# Allegro board AX7021-2019-04-01.brd (continued)
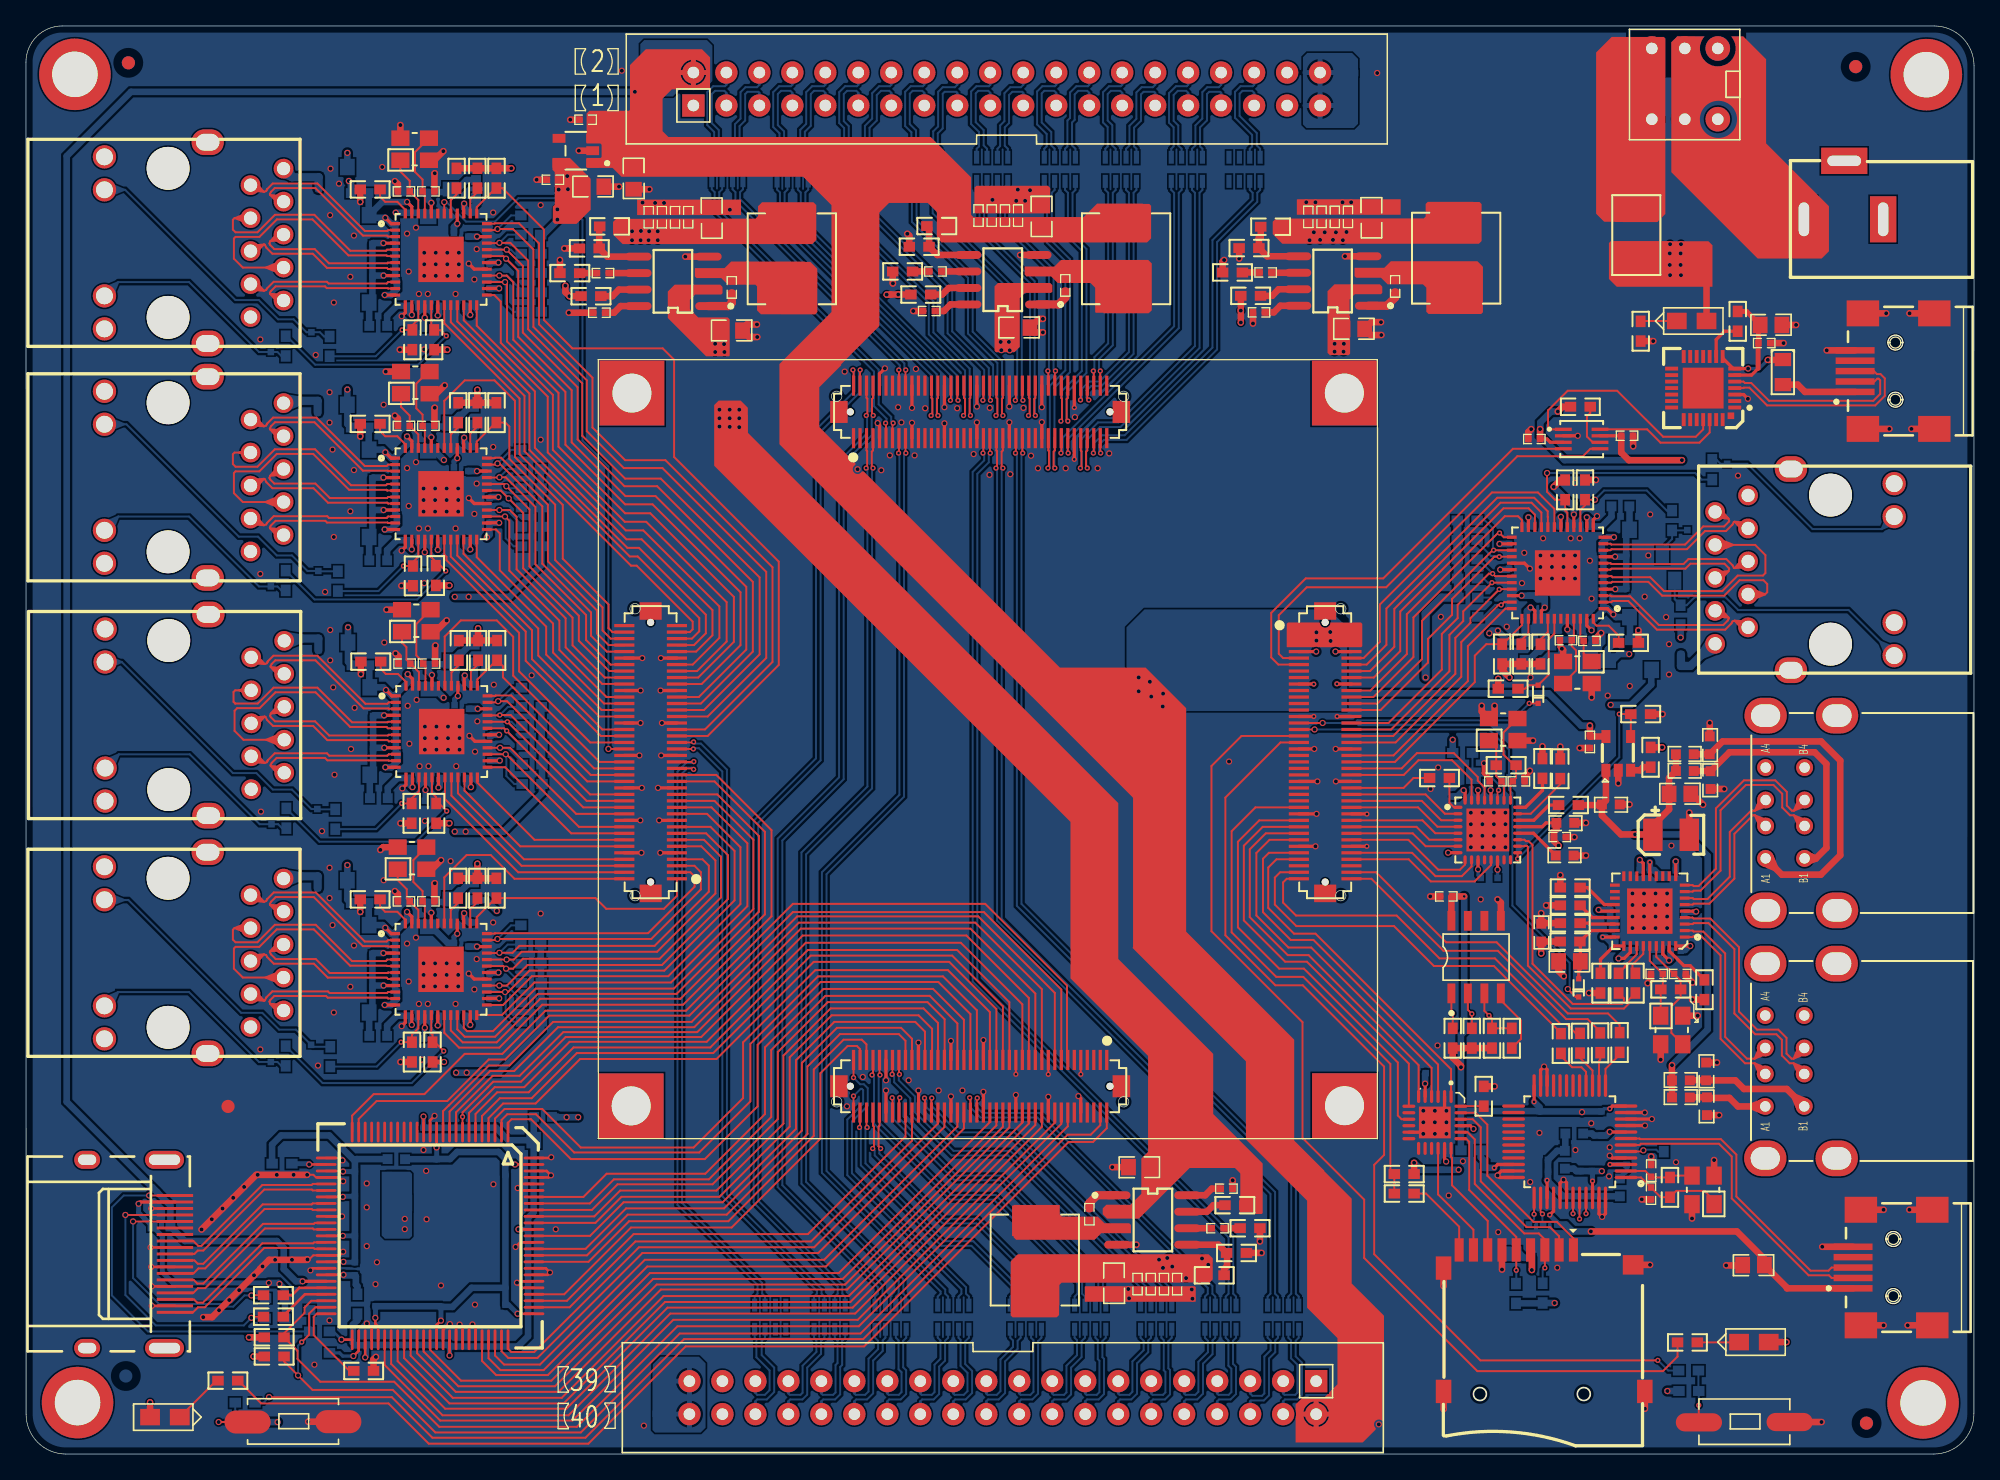
[diagram p0: board, top side]
## Nets (continued)
PHY1_TXD2: CON1.16 U6.21(TXD2)
PHY1_TXD3: CON1.18 U6.22(TXD3)
PHY2_125M_CLK: R62.1 U10.41(CLK125_NDO/LED_MODE)
PHY2_AD0/LED1: R55.1 R60.1 U10.17(LED1 / PME_N1/PHYAD0)
PHY2_AD1/LED2: R56.1 R68.2 U10.15(LED2/PHYAD1)
PHY2_AVDDH: C87.1 C88.1 C89.1 L10.2 U10.1(AVDDH1) U10.12(AVDDH2) U10.47(NC2)
PHY2_AVDDL: C99.1 C100.1 C101.1 L12.2 U10.4(AVDDL2) U10.9(AVDDL1)
PHY2_AVDDL_PLL: C96.1 C97.1 C98.1 L11.2 U10.44(AVDDL_PLL)
PHY2_MDC: CON3.3 U10.36(MDC)
PHY2_MDI0_N: J10.P3(TRD0-) U10.3(TXRXM_A)
PHY2_MDI0_P: J10.P2(TRD0+) U10.2(TXRXP_A)
PHY2_MDI1_N: J10.P7(TRD1-) U10.6(TXRXM_B)
PHY2_MDI1_P: J10.P4(TRD1+) U10.5(TXRXP_B)
PHY2_MDI2_N: J10.P6(TRD2-) U10.8(TXRXM_C)
PHY2_MDI2_P: J10.P5(TRD2+) U10.7(TXRXP_C)
PHY2_MDI3_N: J10.P9(TRD3-) U10.11(TXRXM_D)
PHY2_MDI3_P: J10.P8(TRD3+) U10.10(TXRXP_D)
PHY2_MDIO: CON3.1 R58.1 U10.37(MDIO)
PHY2_RESET: CON3.2 U10.42(RESET_N)
PHY2_RXCK: CON3.5 R67.2 U10.35(RX_CLK/PHYAD2)
PHY2_RXCTL: CON3.7 R61.1 U10.33(RX_DV/CLK125_EN)
PHY2_RXD0: CON3.11 R66.1 U10.32(RXD0/MODE0)
PHY2_RXD1: CON3.13 R65.1 U10.31(RXD1/MODE1)
PHY2_RXD2: CON3.15 R64.1 U10.28(RXD2/MODE2)
PHY2_RXD3: CON3.17 R63.1 U10.27(RXD3/MODE3)
PHY2_TXCK: CON3.23 U10.24(GTX_CLK)
PHY2_TXCTL: CON3.21 U10.25(TX_EN)
PHY2_TXD0: CON3.33 U10.19(TXD0)
PHY2_TXD1: CON3.31 U10.20(TXD1)
PHY2_TXD2: CON3.27 U10.21(TXD2)
PHY2_TXD3: CON3.25 U10.22(TXD3)
PHY3_125M_CLK: R76.1 U11.41(CLK125_NDO/LED_MODE)
PHY3_AD0/LED1: R69.1 R74.1 U11.17(LED1 / PME_N1/PHYAD0)
PHY3_AD1/LED2: R70.1 R82.2 U11.15(LED2/PHYAD1)
PHY3_AVDDH: C113.1 C114.1 C115.1 L13.2 U11.1(AVDDH1) U11.12(AVDDH2) U11.47(NC2)
PHY3_AVDDL: C125.1 C126.1 C127.1 L15.2 U11.4(AVDDL2) U11.9(AVDDL1)
PHY3_AVDDL_PLL: C122.1 C123.1 C124.1 L14.2 U11.44(AVDDL_PLL)
PHY3_MDC: CON3.34 U11.36(MDC)
PHY3_MDI0_N: J11.P3(TRD0-) U11.3(TXRXM_A)
PHY3_MDI0_P: J11.P2(TRD0+) U11.2(TXRXP_A)
PHY3_MDI1_N: J11.P7(TRD1-) U11.6(TXRXM_B)
PHY3_MDI1_P: J11.P4(TRD1+) U11.5(TXRXP_B)
PHY3_MDI2_N: J11.P6(TRD2-) U11.8(TXRXM_C)
PHY3_MDI2_P: J11.P5(TRD2+) U11.7(TXRXP_C)
PHY3_MDI3_N: J11.P9(TRD3-) U11.11(TXRXM_D)
PHY3_MDI3_P: J11.P8(TRD3+) U11.10(TXRXP_D)
PHY3_MDIO: CON3.36 R72.1 U11.37(MDIO)
PHY3_RESET: CON3.38 U11.42(RESET_N)
PHY3_RXCK: CON3.32 R81.2 U11.35(RX_CLK/PHYAD2)
PHY3_RXCTL: CON3.28 R75.1 U11.33(RX_DV/CLK125_EN)
PHY3_RXD0: CON3.26 R80.1 U11.32(RXD0/MODE0)
PHY3_RXD1: CON3.24 R79.1 U11.31(RXD1/MODE1)
PHY3_RXD2: CON3.22 R78.1 U11.28(RXD2/MODE2)
PHY3_RXD3: CON3.18 R77.1 U11.27(RXD3/MODE3)
PHY3_TXCK: CON3.14 U11.24(GTX_CLK)
PHY3_TXCTL: CON3.16 U11.25(TX_EN)
PHY3_TXD0: CON3.4 U11.19(TXD0)
PHY3_TXD1: CON3.6 U11.20(TXD1)
PHY3_TXD2: CON3.8 U11.21(TXD2)
PHY3_TXD3: CON3.12 U11.22(TXD3)
PHY4_125M_CLK: R90.1 U12.41(CLK125_NDO/LED_MODE)
PHY4_AD0/LED1: R83.1 R88.1 U12.17(LED1 / PME_N1/PHYAD0)
PHY4_AD1/LED2: R84.1 R96.2 U12.15(LED2/PHYAD1)
PHY4_AVDDH: C139.1 C140.1 C141.1 L16.2 U12.1(AVDDH1) U12.12(AVDDH2) U12.47(NC2)
PHY4_AVDDL: C151.1 C152.1 C153.1 L18.2 U12.4(AVDDL2) U12.9(AVDDL1)
PHY4_AVDDL_PLL: C148.1 C149.1 C150.1 L17.2 U12.44(AVDDL_PLL)
PHY4_MDC: CON3.74 U12.36(MDC)
PHY4_MDI0_N: J12.P3(TRD0-) U12.3(TXRXM_A)
PHY4_MDI0_P: J12.P2(TRD0+) U12.2(TXRXP_A)
PHY4_MDI1_N: J12.P7(TRD1-) U12.6(TXRXM_B)
PHY4_MDI1_P: J12.P4(TRD1+) U12.5(TXRXP_B)
PHY4_MDI2_N: J12.P6(TRD2-) U12.8(TXRXM_C)
PHY4_MDI2_P: J12.P5(TRD2+) U12.7(TXRXP_C)
PHY4_MDI3_N: J12.P9(TRD3-) U12.11(TXRXM_D)
PHY4_MDI3_P: J12.P8(TRD3+) U12.10(TXRXP_D)
PHY4_MDIO: CON3.76 R86.1 U12.37(MDIO)
PHY4_RESET: CON3.78 U12.42(RESET_N)
PHY4_RXCK: CON3.72 R95.2 U12.35(RX_CLK/PHYAD2)
PHY4_RXCTL: CON3.68 R89.1 U12.33(RX_DV/CLK125_EN)
PHY4_RXD0: CON3.66 R94.1 U12.32(RXD0/MODE0)
PHY4_RXD1: CON3.64 R93.1 U12.31(RXD1/MODE1)
PHY4_RXD2: CON3.62 R92.1 U12.28(RXD2/MODE2)
PHY4_RXD3: CON3.58 R91.1 U12.27(RXD3/MODE3)
PHY4_TXCK: CON3.54 U12.24(GTX_CLK)
PHY4_TXCTL: CON3.56 U12.25(TX_EN)
PHY4_TXD0: CON3.44 U12.19(TXD0)
PHY4_TXD1: CON3.46 U12.20(TXD1)
PHY4_TXD2: CON3.48 U12.21(TXD2)
PHY4_TXD3: CON3.52 U12.22(TXD3)
PHY5_125M_CLK: R104.1 U13.41(CLK125_NDO/LED_MODE)
PHY5_AD0/LED1: R97.1 R102.1 U13.17(LED1 / PME_N1/PHYAD0)
PHY5_AD1/LED2: R98.1 R110.2 U13.15(LED2/PHYAD1)
PHY5_AVDDH: C165.1 C166.1 C167.1 L19.2 U13.1(AVDDH1) U13.12(AVDDH2) U13.47(NC2)
PHY5_AVDDL: C177.1 C178.1 C179.1 L21.2 U13.4(AVDDL2) U13.9(AVDDL1)
PHY5_AVDDL_PLL: C174.1 C175.1 C176.1 L20.2 U13.44(AVDDL_PLL)
PHY5_MDC: CON3.47 U13.36(MDC)
PHY5_MDI0_N: J13.P3(TRD0-) U13.3(TXRXM_A)
PHY5_MDI0_P: J13.P2(TRD0+) U13.2(TXRXP_A)
PHY5_MDI1_N: J13.P7(TRD1-) U13.6(TXRXM_B)
PHY5_MDI1_P: J13.P4(TRD1+) U13.5(TXRXP_B)
PHY5_MDI2_N: J13.P6(TRD2-) U13.8(TXRXM_C)
PHY5_MDI2_P: J13.P5(TRD2+) U13.7(TXRXP_C)
PHY5_MDI3_N: J13.P9(TRD3-) U13.11(TXRXM_D)
PHY5_MDI3_P: J13.P8(TRD3+) U13.10(TXRXP_D)
PHY5_MDIO: CON3.45 R100.1 U13.37(MDIO)
PHY5_RESET: CON3.42 U13.42(RESET_N)
PHY5_RXCK: CON3.51 R109.2 U13.35(RX_CLK/PHYAD2)
PHY5_RXCTL: CON3.53 R103.1 U13.33(RX_DV/CLK125_EN)
PHY5_RXD0: CON3.55 R108.1 U13.32(RXD0/MODE0)
PHY5_RXD1: CON3.57 R107.1 U13.31(RXD1/MODE1)
PHY5_RXD2: CON3.61 R106.1 U13.28(RXD2/MODE2)
PHY5_RXD3: CON3.63 R105.1 U13.27(RXD3/MODE3)
PHY5_TXCK: CON3.67 U13.24(GTX_CLK)
PHY5_TXCTL: CON3.65 U13.25(TX_EN)
PHY5_TXD0: CON3.77 U13.19(TXD0)
PHY5_TXD1: CON3.75 U13.20(TXD1)
PHY5_TXD2: CON3.73 U13.21(TXD2)
PHY5_TXD3: CON3.71 U13.22(TXD3)
PL_KEY: CON4.4 R129.2
PL_LED: CON4.2 R133.1
PS_KEY: CON1.37 R121.2
PS_LED: CON1.35 R131.1
RGMII_VCC: C82.1 C83.1 C84.1 C85.1 C108.1 C109.1 C110.1 C111.1 C134.1 C135.1 C136.1 C137.1 C160.1 C161.1 C162.1 C163.1 C187.1 C188.1 R57.1 R58.2 R60.2 R61.2 R62.2 R63.2 R64.2 R65.2 R66.2 R71.1 R72.2 R74.2 R75.2 R76.2 R77.2 R78.2 R79.2 R80.2 R85.1 R86.2 R88.2 R89.2 R90.2 R91.2 R92.2 R93.2 R94.2 R99.1 R100.2 R102.2 R103.2 R104.2 R105.2 R106.2 R107.2 R108.2 U10.16(DVDDH1) U10.34(DVDDH2) U10.40(DVDDH3) U11.16(DVDDH1) U11.34(DVDDH2) U11.40(DVDDH3) U12.16(DVDDH1) U12.34(DVDDH2) U12.40(DVDDH3) U13.16(DVDDH1) U13.34(DVDDH2) U13.40(DVDDH3) U19.5(VOUT)
SD_CD: CON1.57 R19.1 R20.2
SD_CLK: CON1.61 U5.9(CLKA)
SD_CMD: CON1.67 U5.4(CMDA)
SD_D0: CON1.65 U5.6(DAT0A)
SD_D1: CON1.63 U5.7(DAT1A)
SD_D2: CON1.73 U5.1(DAT2A)
SD_D3: CON1.71 U5.3(DAT3A)
TX_0N: J9.9(D0-) U9.33(TX0-)
TX_0P: J9.7(D0+) U9.34(TX0+)
TX_1N: J9.6(D1-) U9.36(TX1-)
TX_1P: J9.4(D1+) U9.37(TX1+)
TX_2N: J9.3(D2-) U9.39(TX2-)
TX_2P: J9.1(D2+) U9.40(TX2+)
TX_CN: J9.12(CK-) U9.30(TXC-)
TX_CP: J9.10(CK+) U9.31(TXC+)
UART_RX: CON1.11 U4.5(A1)
UART_TX: CON1.13 U4.4(A2)
USB2_5V: C62.1 C63.1 C64.1 L26.2 L27.2 L29.2 L30.2 R40.1 U8.1(OUT)
USB_5V: C1.1 C2.1 J1.1(VCC) U1.40(VREGIN)
USB_DM: R150.2 U18.30(DM_UP)
USB_DP: R151.2 U18.31(DP_UP)
USB_VBUS: R40.2 U7.22(VBUS)
VIDEO1_AVCC: C77.1 C78.1 C79.1 C80.1 L9.1 R51.2 U9.28(PVCC1) U9.32(AVCC18#32) U9.38(AVCC18#38) U9.42(PVCC2)
VIDEO1_CORE: C69.1 C70.1 C71.1 C72.1 C73.1 C74.1 L8.1 U9.12(CVCC18#12) U9.55(CVCC18#55) U9.64(CVCC18#64) U9.76(CVCC18#76) U9.99(CVCC18#99)
VIDEO1_VCCIO: C65.1 C66.1 C67.1 C68.1 C75.1 L7.2 R43.2 U9.14(IOVCC33#14) U9.53(IOVCC33#53) U9.66(IOVCC33#66) U9.89(IOVCC33#89)
VPHY: C15.1 L2.2 U1.3(VPHY)
VPLL: C13.1 L1.2 U1.8(VPLL)
VUSB_V_EN: R42.2 U7.17(CPEN) U8.4(EN)
XADC_VN: CON1.53
XADC_VP: CON1.51
N16524379: J3.1(DAT2) U5.23(DAT2B0)
N16524383: J3.2(CD/DAT3) U5.22(DAT3B0)
N16524395: J3.3(CMD) R17.1 U5.20(CMDB0)
N16524421: J3.5(CLK) R16.1 U5.19(CLKB0)
N16524425: J3.7(DAT0) U5.18(DAT0B0)
N16524429: J3.8(DAT1) U5.16(DAT1B0)
N16546528: R18.2 U5.24(SEL)
N16579258: J3.9(CD) R20.1
N17782910: C219.2 R148.1
N17782912: C203.2 L23.1 U15.3(SW)
N17782935: R144.2 R146.1 U15.5(FB)
N17783038: C207.1 U15.8(SS)
N17783063: C203.1 U15.1(BS)
N17783146: C219.1 U15.6(COMP)
N17783175: R142.2 U15.7(EN)
N17785653: C220.2 R149.1
N17785655: C204.2 L24.1 U16.3(SW)
N17785669: R145.2 R147.1 U16.5(FB)
N17785770: C213.1 U16.8(SS)
N17785797: C204.1 U16.1(BS)
N17785889: C220.1 U16.6(COMP)
N17785909: R143.2 U16.7(EN)
N17796323: CN1.3 SW1.2(COMMON1) SW1.5(COMMON2)
N19660798: C202.2 R141.1
N19660800: C194.2 L22.1 U14.3(SW)
N19660814: R139.2 R140.1 U14.5(FB)
N19660902: C196.1 U14.8(SS)
N19660925: C194.1 U14.1(BS)
N19661019: C202.1 U14.6(COMP)
N19661039: R138.2 U14.7(EN)
N19724336: F2.1 SW1.3(NO1) SW1.6(NO2)
N20033644: LED9.2(CATHODE) R137.2
N20060148: CON4.1
N20060159: CON4.3
N20060167: CON4.11
N20060427: CON2.24
N20060447: CON4.12
N20060632: CON4.5
N20060638: CON4.7
N20060678: CON2.80
N20060724: CON2.79
N20060735: CON3.79
N20060743: CON3.80
N20060756: CON2.3
N20060759: CON2.1
N20060813: CON2.21
N20060821: CON2.23
N20060829: CON2.27
N20060837: CON2.25
N20060845: CON2.33
N20060848: CON2.31
N20060851: CON2.37
N20060854: CON2.35
N20060925: CON2.22
N20060949: CON4.6
N20060952: CON4.8
N20060955: CON2.14
N20060963: CON2.12
N20061029: CON2.55
N20061032: CON2.57
N20065139: C244.2 R164.2 U1.1(XCSI) Y1.1
N20065143: C243.2 R164.1 U1.2(XCSO) Y1.3
N20065179: R3.2 U1.13(ADBUS0/TCK)
N20065181: R6.2 U1.16(ADBUS3/TMS)
N20065207: R5.2 U1.15(ADBUS2/TDO)
N20065314: R12.2 U2.4(DO)
N20065556: R4.2 U1.14(ADBUS1/TDI)
N20065715: C3.2 U1.38(VCCCORE)
N20065717: C4.2 U1.37(VCCA)
N20065767: J1.3(D+) U1.7(DP)
N20065769: J1.2(D-) U1.6(DM)
N20065771: C5.1 R7.2 U1.34(RESET)
N20065803: R8.2 U1.5(REF)
N20114690: R39.2 U7.24(RBIAS)
N20114742: R41.2 U8.3(/OC)
N20114878: C60.2 R38.1 U7.25(XO) Y3.3
N20114880: C59.2 R38.2 U7.26(REFCLK) Y3.1
N20115212: C58.2 U7.20(VDD33)
N20115232: C57.1 D2.2(ANODE) R36.1 U7.27(RESETB)
N20115313: R37.2 U7.1(CLKOUT)
N20195664: R23.2 U6.38(INT_N / PME_N2)
N20195671: C49.1 Q9.1(BASE) R22.2
N20195680: C50.1 C51.1 J4.P1(CT)
N20195684: C48.1 J4.13(LD2_K) R21.2
N20195708: R25.2 U6.48(ISET)
N20195716: J4.11(LD1_A) Q9.3(COLLECTOR) R111.2
N20195754: C46.1 U6.46(XI) Y2.1
N20195755: C47.1 U6.45(XO) Y2.3
N20195776: D1.2(ANODE) R26.1 U6.42(RESET_N)
N20203155: R57.2 U10.38(INT_N / PME_N2)
N20203170: C105.1 J10.12(LD1_K) R56.2
N20203188: C106.1 C107.1 J10.P1(CT)
N20203196: C104.1 J10.13(LD2_K) R55.2
N20203244: R59.2 U10.48(ISET)
N20203359: C102.1 U10.46(XI) Y4.1
N20203361: C103.1 U10.45(XO) Y4.3
N20205791: R99.2 U13.38(INT_N / PME_N2)
N20205798: C183.1 J13.12(LD1_K) R98.2
N20205807: C184.1 C185.1 J13.P1(CT)
N20205811: C182.1 J13.13(LD2_K) R97.2
N20205835: R101.2 U13.48(ISET)
N20205881: C180.1 U13.46(XI) Y7.1
N20205882: C181.1 U13.45(XO) Y7.3
N20213445: R71.2 U11.38(INT_N / PME_N2)
N20213452: C131.1 J11.12(LD1_K) R70.2
N20213461: C132.1 C133.1 J11.P1(CT)
N20213465: C130.1 J11.13(LD2_K) R69.2
N20213489: R73.2 U11.48(ISET)
N20213535: C128.1 U11.46(XI) Y5.1
N20213536: C129.1 U11.45(XO) Y5.3
N20215188: R85.2 U12.38(INT_N / PME_N2)
N20215195: C157.1 J12.12(LD1_K) R84.2
N20215204: C158.1 C159.1 J12.P1(CT)
N20215208: C156.1 J12.13(LD2_K) R83.2
N20215232: R87.2 U12.48(ISET)
N20215278: C154.1 U12.46(XI) Y6.1
N20215279: C155.1 U12.45(XO) Y6.3
N20218751: C76.2 R43.1 U9.44(AVCC33)
N20218864: R51.1 U9.27(EXT_SWG)
N20218993: R45.1 U9.47(DSDA)
N20218995: R44.1 U9.46(DSCL)
N20218997: R47.1 U9.51(HPD)
N20218999: R46.1 U9.52(RSVDL)
N20219151: R50.1 U9.50(CI2CA)
N20246377: KEY2.1(P1) R123.1 R129.1
N20246467: LED2.2(CATHODE) R133.2
N20257827: LED1.2(CATHODE) R131.2
N20257996: KEY1.1(P1) R119.1 R121.1
N20328280: R161.1 U3.7(REGIN) U3.8(VBUS)
N20328299: J2.2(D-) U3.5(D-)
N20328339: J2.3(D+) U3.4(D+)
N20328351: R159.1 U3.9(R\S\T\)
N20328357: C221.1 C222.1 R159.2 U3.6(VDD)
N20328387: U3.26(TXD) U4.8(B1)
N20328389: U3.25(RXD) U4.1(B2)
N20328497: J2.1(VCC) R161.2
N20365659: C236.1 D3.2(ANODE) R153.1 U18.26(RESET_N)
N20365863: R152.2 U18.28(SUSP_IND/LOCAL_PWR/NON_REM0)
N20365866: R154.2 U18.22(SDA/SMBDATA/NON_REM1)
N20365873: R155.2 U18.24(SCL/SMBCLK/CFG_SEL0)
N20365876: R156.2 U18.25(HS_IND/CFG_SEL1)
N20366975: C230.1 C231.1 U18.34(PLLFILT)
N20366989: C232.1 C233.1 U18.14(CRFILT)
N20367850: C234.2 R157.1 U18.33(XTALIN/CLKIN) Y8.3
N20367872: C235.2 R157.2 U18.32(XTALOUT) Y8.1
N20369652: R158.2 U18.35(RBIAS)
N20375664: R163.1 U18.27(VBUS_DET)
N20412965: C252.2 R165.1
N20412967: C246.2 L25.1 U17.3(SW)
N20412981: R167.2 R168.1 U17.5(FB)
N20413027: C245.1 U17.8(SS)
N20413063: C246.1 U17.1(BS)
N20413146: C252.1 U17.6(COMP)
N20413156: R166.2 U17.7(EN)
N203282594: R160.2 U4.6(OE)

Pads without a net: CON1 15 17 21 23 25 27 41 43 45 47 55 75 76 81 84; CON2 81 84; CON3 81 84; CON4 81 84; J1 4; J2 4; J9 14; NOREF 1; NOREF#2 1; NOREF#4 1; NOREF#6 1; NOREF#7 1; NOREF#8 1; NOREF#9 1; NOREF#10 1; RN17 3 4 5 6; RN18 3 4 5 6; SW1 1 4; U1 17 18 19 20 21 25 26 27 28 29 30 31 32 33; U2 6 7; U3 1 2 10 11 12 13 14 15 16 17 18 19 20 21 22 23 24 27 28; U5 8 10 12 13 14 15; U6 43; U7 12 15 16; U9 15 16 17 18 19 20 21 22 23; U10 43; U11 43; U12 43; U13 43; U18 11 12 13 16 17 18 19 20 21; U19 4

## Via types
v1: diameter 0.483, hole 0.305, TOP to BOTTOM, 789 vias
v2: diameter 0.406, hole 0.203, TOP to BOTTOM, 125 vias

## Routing (per net, layer and track width the routed paths; a pad name or vN(x,y) marks a point on that pad's centre or on a via; arc(x,y) is an arc through that point)
GND: length 758.4
  TOP w0.152: CON4.29 v2(76.23,29.25) ; CON4.19 v2(78.73,29.25) ; U9.41 22.12,15.3 21.8,14.99 v1(21.68,14.99) ; v1(21.65,21.51) 22.13,21.51 22.34,21.3 U9.29 ; CON4.9 v2(81.23,29.25)
  TOP w0.203: U9.95 38.05,20.3 v1(37.86,20.49) 37.86,20.51 38.15,20.8 U9.96 ; v1(31.46,26.05) 31.12,25.71 U9.13 ; U9.83 40.03,14.3 v1(40.35,13.99) 40.17,13.8 U9.82 ; J9.8 v1(9.64,14.41) ; U9.68 33.62,9.75 v1(33.39,9.97) 33.12,9.7 U9.67 ; U9.65 32.12,9.58 32.55,10.01 v1(32.64,10.01) ; U9.41 24.14,15.3 v1(24.43,15.59) ; v1(24.43,21.01) 24.41,21.01 24.12,21.3 U9.29 ; J9.11 v1(9.59,15.91) ; J9.5 v1(9.69,12.91) ; U9.97 40.24,21.3 40.4,21.47 v1(40.43,21.47) 40.09,21.8 U9.98 ; U9.43 22.06,14.3 v1(21.9,14.15) ; U9.87 38.06,16.3 v1(37.7,15.95) ; U9.54 26.62,9.69 v1(26.25,10.06) ; J9.2 v1(9.69,11.41) ; U9.35 v1(24.34,18.3) ; U9.80 38.2,12.8 v1(37.81,13.2) 37.92,13.3 U9.81 ; J9.17 v1(9.64,18.91) ; U9.70 34.62,9.75 v1(34.38,9.98) 34.12,9.72 U9.69 ; U9.100 40.39,22.8 v1(40.45,22.86) ; U9.26 24.19,22.8 v1(24.38,22.62)
  TOP w0.254: CON1.59 v1(99.38,49.31) ; CON1.49 v1(99.45,51.81) ; U1.35 113.61,21.8 113.37,21.56 113.37,21.51 v1(113.32,21.46) 113.48,21.3 U1.36 ; CON3.9 v1(48.84,46.31) ; v1(120.98,72.25) 120.69,71.97 U6.13 ; U5.2 109.24,26.58 v1(109.38,26.44) ; CON2.69 v2(80.73,76.62) ; CON4.30 v1(76.23,27.66) ; CON4.10 81.23,27.38 v1(81.04,27.57) ; CON2.50 v1(75.73,80.68) ; CON1.20 100.96,59.31 v2(100.94,59.33) ; U11.29 34.57,54.9 v1(34.15,55.32) ; CON4.49 v1(71.23,31.82) ; CON4.20 v1(78.73,27.52) ; CON3.30 v1(47.42,51.31) ; CON2.49 v1(75.73,79.47) ; CON1.40 v1(100.85,54.31) ; U1.42 118.63,20.9 v1(118.4,21.13) 118.13,20.87 U1.41 ; CON4.59 v1(68.73,31.69) ; CON1.69 v1(99.3,46.81) ; U1.48 121.63,18.52 v1(121.37,18.26) 121.13,18.5 U1.47 ; U3.3 132.27,81.61 v1(132.6,81.28) ; CON4.39 v1(73.73,31.89) ; v2(103.26,49.3) 103.24,49.31 CON1.60 ; U1.9 v1(124.67,25.3) ; CON4.40 v1(73.73,27.9) ; CON1.9 v1(99.35,61.81) ; CON2.30 v1(70.73,80.63) ; CON2.20 v1(68.23,80.58) ; v2(99.17,59.3) 99.16,59.31 CON1.19 ; CON1.30 100.97,56.81 v2(100.96,56.81) ; v1(34.1,73.63) 34.52,73.21 U12.29 ; CON4.60 v1(68.73,28) ; U6.29 115.39,68.62 v1(115.81,68.2) ; CON2.60 v1(78.23,80.63) ; v1(65.58,79.41) 65.73,79.27 CON2.9 ; U5.11 107.48,24.79 v1(107.6,24.66) ; CON3.10 v1(47.4,46.31) ; v1(28.93,32.96) 29.21,33.24 U10.13 ; v1(121.96,22.99) 122.14,22.8 U1.4 ; v2(80.73,80.61) CON2.70 ; U13.29 34.52,91.27 v1(34.1,91.69) ; CON2.10 65.73,83.21 v1(66.14,83.63) ; U12.13 29.21,69.87 v1(28.93,69.58) ; CON3.49 v1(48.97,56.31) ; CON4.50 v1(71.23,27.55) ; CON2.29 v1(70.73,79.39) ; CON3.20 v1(47.31,48.81) ; CON3.60 v1(47.33,58.81) ; CON1.50 v1(100.87,51.81) ; CON3.40 v1(47.24,53.81) ; CON1.39 v1(99.21,54.31) ; U13.13 29.21,87.93 v1(28.93,87.64) ; CON2.40 v1(73.23,80.68) ; v1(34.1,37.01) 34.52,36.59 U10.29 ; CON3.29 v1(48.67,51.31) ; U1.23 116.63,29.58 v1(116.9,29.84) 117.13,29.61 U1.22 ; CON3.19 v1(48.76,48.81) ; U1.10 v1(125.2,25.8) ; CON2.59 v1(78.23,79.49) ; CON3.39 v1(48.91,53.81) ; CON3.50 v1(47.33,56.31) ; CON1.29 99.16,56.81 v2(99.17,56.81) ; U11.13 29.26,51.55 v1(28.98,51.27) ; CON2.19 v1(68.23,79.43) ; CON3.69 v1(48.89,61.31) ; CON3.59 v1(48.87,58.81) ; CON4.70 v1(66.23,28) ; U4.2 v1(119.5,78.43) ; CON1.70 v2(103.25,46.81) ; CON2.39 v1(73.23,79.46) ; CON3.70 v1(47.46,61.31) ; U1.11 v1(124.66,26.3) ; CON1.10 v1(100.84,61.81) ; CON4.69 v1(66.23,28.79)
  TOP w0.381: v1(112.28,53.21) 112.28,52.45 112.71,52.02 C59.1 ; v1(118.27,62.03) 118.12,62.18 C47.2
  TOP w0.508: U15.4 v1(101.57,92.26) ; U17.4 v1(50.77,92.23) ; C62.2 128.31,50.85 v1(129.14,50.01) ; R25.1 v1(124.17,63.45) ; C245.2 v1(41.8,87.92) ; J2.5 v1(138.67,85.01) ; KEY1.2 v1(138.26,2.47) ; R101.1 v1(25.74,96.44) ; C46.2 120.86,62.81 v1(121.29,63.25) ; C243.1 v1(125.15,22.92) ; R59.1 v1(25.74,41.76) ; Y3.2 v1(116.05,54.95) ; v1(93.42,92.09) 93.42,92.88 R146.2 ; R96.1 v1(28.92,66.88) ; R141.2 66.75,90.18 v1(66.76,90.17) ; v1(26.95,7.48) 26.76,7.29 R50.2 ; v1(31.48,98.65) 31.46,98.63 C181.2 ; Y7.2 31.44,99.66 v1(32.14,100.36) ; J1.6 v1(143.04,18.81) ; C234.1 127.82,36.83 v1(128.33,36.32) ; Y8.2 v1(125.88,30.38) ; J2.7 v1(145.04,87.86) ; v1(112.1,57.63) 112.1,57.2 112.65,56.65 Y3.4 113.09,57.09 v1(113.09,57.63) ; v1(31.96,45.75) 31.27,45.05 Y4.2 ; R137.1 v1(125.31,85.72) ; R68.1 v1(28.84,30.2) ; Y6.4 v1(27.71,83.37) ; v1(78.31,87.44) 78,87.44 77.33,86.76 C195.2 77.31,86.71 77.62,86.4 v1(78.31,86.4) ; v1(31.48,80.59) 31.46,80.57 C155.2 ; C240.2 v1(123.76,77.62) ; C206.2 v1(83.65,22.1) ; v1(115.91,78.94) 115.68,78.71 C239.2 ; J1.8 v1(143.04,9.91) ; Y4.4 27.5,46.75 v1(27.29,46.53) ; J1.7 v1(145.04,18.81) ; C188.2 v1(45.67,97.62) ; v1(56.29,87.01) 55.51,87.01 55.18,86.68 C251.2 55.67,86.04 v1(56.31,86.04) ; R165.2 v1(41.12,91.98) ; R148.2 92.15,91.86 v1(92.26,91.97) ; C213.2 92.92,20.45 v1(92.92,21.08) ; J1.5 v1(138.33,15.96) ; Y1.4 v1(128.29,18.15) ; U2.5 113.57,42.47 v1(113.32,42.72) ; v1(21.65,21.51) v1(20.61,21.51) v1(19.31,21.51) v1(17.84,21.51) 17.73,21.51 v1(16.8,20.57) v1(15.96,19.74) v1(15.14,18.91) v1(14.31,18.08) v1(13.52,17.3) ; C221.2 v1(136.31,86.97) ; R42.1 v1(126.02,56.99) ; C238.2 v1(130.22,30.16) ; C235.1 125.13,36.53 v1(124.88,36.27) ; R155.1 v1(117.06,42.26) ; R147.2 v1(95.14,15.49) ; v1(32.39,64.21) 31.52,63.34 Y5.2 ; R87.1 v1(25.74,78.38) ; R162.2 v1(118.15,54.49) ; U8.2 v1(122.62,51.66) ; C241.2 v1(129.66,56.32) ; v1(115.81,52.63) 115.4,52.22 C60.1 ; Y2.2 118.37,61.93 v1(118.27,62.03) ; C61.2 v1(119.64,54.38) ; C63.2 v1(128.08,49.41) ; v1(28.41,98.04) 28.64,97.82 C180.2 ; J1.9 v1(144.9,9.91) ; Y5.4 v1(27.76,65.04) ; J3.11 v1(109.16,12.94) ; Y8.4 v1(128.73,33.76) ; v1(130.92,14.53) 132.17,14.53 C2.2 ; Y7.4 v1(28.83,102.37) ; C242.2 v1(130.77,51.23) ; U16.4 v1(85.51,16.12) ; J2.8 v1(143.49,78.96) ; C64.2 v1(123.48,50.04) ; C222.2 v1(135.34,85.57) ; J3.6 v1(113.66,14.21) ; v1(67.87,93.99) 68.02,93.85 R140.2 ; Y6.2 31.6,81.67 v1(32.24,82.32) ; v1(104.37,86.19) 103.56,86.19 C205.2 103.61,87.18 v1(104.34,87.18) ; R73.1 v1(25.79,60.07) ; U14.4 v1(76.56,92.36) ; v1(28.41,79.98) 28.64,79.76 C154.2 ; v1(21.68,14.99) 21.65,14.99 21.63,14.96 v1(20.48,14.96) v1(19.19,14.96) 18.73,14.96 v1(18.22,14.45) 18.04,14.27 18.04,14.25 v1(17.56,13.77) v1(16.42,12.62) v1(15.66,11.86) v1(14.87,11.07) 14.34,10.54 v1(13.65,10.54) ; C244.1 v1(124.42,19.61) ; R168.2 v1(41.45,92.86) ; C207.2 v1(94.48,87.08) ; C102.2 28.64,43.13 v1(28.41,43.36) ; J3.10 v1(125.06,14.57) ; C186.2 v1(41.91,102.78) ; v1(118.42,36.8) 118.02,37.21 C236.2 ; Y2.4 v1(120.57,58.28) ; C128.2 28.69,61.44 v1(28.46,61.67) ; R110.1 v1(28.79,85.06) ; Y1.2 v1(129.99,22.65) ; C17.2 v1(108.14,42.95) ; J3.12 v1(109.16,3.46) ; C103.2 31.46,43.94 v1(31.48,43.97) ; R35.1 v1(120.89,75.03) ; C196.2 v1(68.33,88.04) ; R158.1 v1(128.31,35) ; C58.1 v1(120.13,46.1) ; U19.2 v1(42.57,100.39) ; C52.2 v1(120.13,48.62) ; J2.9 v1(145.19,78.96) ; R18.1 v1(113.09,28.32) ; R154.1 v1(118.15,44.6) ; v1(116.68,41.66) C224.2 116.72,40.89 R156.1 ; C237.2 v1(130.38,26.11) ; R149.2 v1(95.02,16.38) ; J2.6 v1(143.25,87.86) ; C187.2 v1(39.32,98.16) ; J3.13 v1(124.66,3.49) ; C53.2 v1(119.24,47.52) ; v1(31.53,62.28) 31.51,62.26 C129.2 ; KEY2.2 v1(21.73,2.49) ; R82.1 v1(28.84,48.59) ; R152.1 v1(120.36,35.51) ; R39.1 v1(116.78,54.51) ; C189.2 v1(48.01,97.42)
  SGND w0.381: J4.12 143.86,65.13 ; J4.12 143.86,62.95 ; J4.12 142.77,64.04 ; J4.12 144.95,64.04 ; 143.14,3.94 H2.1 ; H2.1 149.03,3.94 ; H2.1 146.09,0.99 ; H2.1 146.09,6.89 ; HOLE4.1 103.49,81.72 ; HOLE4.1 101.52,79.75 ; HOLE4.1 99.55,81.72 ; HOLE4.1 101.52,83.69 ; 138.05,99.61 CN1.2 ; CN1.2 140.01,100.82 ; CN1.2 140.01,98.4 ; CN1.2 141.98,99.61 ; J6.B4 136.96,53.72 ; J6.B4 136.96,52.03 ; J6.B4 136.12,52.88 ; J6.B4 137.81,52.88 ; J12.16 13.99,68.67 ; J12.16 13.99,66.3 ; J12.16 15.43,67.49 ; J12.16 12.56,67.49 ; 13.99,45.18 J10.15 ; J10.15 12.56,46.36 ; J10.15 15.43,46.36 ; J10.15 13.99,47.54 ; 4.71,21.77 J9.23 ; J9.23 5.9,22.66 ; J9.23 3.52,22.66 ; J9.23 4.71,23.56 ; 136.94,32.93 J5.B4 ; J5.B4 137.78,33.78 ; J5.B4 136.09,33.78 ; J5.B4 136.94,34.62 ; J4.15 137.35,60.37 ; J4.15 134.48,60.37 ; J4.15 135.91,59.19 ; J4.15 135.91,61.55 ; 16.39,51.21 J11.P10 ; J11.P10 18.3,51.21 ; J11.P10 17.35,52.16 ; J11.P10 17.35,50.25 ; 12.56,101.04 J13.15 ; J13.15 13.99,99.86 ; J13.15 13.99,102.23 ; J13.15 15.43,101.04 ; J12.P10 17.29,70.47 ; J12.P10 17.29,68.57 ; J12.P10 18.25,69.52 ; J12.P10 16.34,69.52 ; J4.P10 133.56,73.84 ; J4.P10 132.61,74.79 ; J4.P10 132.61,72.88 ; J4.P10 131.66,73.84 ; 3.97,1.01 H4.1 ; H4.1 1.02,3.96 ; H4.1 3.97,6.91 ; H4.1 6.92,3.96 ; HOLE1.1 46.66,83.69 ; HOLE1.1 44.69,81.72 ; HOLE1.1 46.66,79.75 ; HOLE1.1 48.63,81.72 ; 139.46,40.31 J6.S2 ; J6.S2 139.46,43.45 ; J6.S2 137.64,41.88 ; J6.S2 141.28,41.88 ; HOLE3.1 103.5,26.83 ; HOLE3.1 101.54,28.8 ; HOLE3.1 99.57,26.83 ; HOLE3.1 101.54,24.86 ; J9.22 4.71,9.06 ; J9.22 5.9,8.16 ; J9.22 4.71,7.27 ; J9.22 3.52,8.16 ; 12.61,64.67 J11.15 ; J11.15 15.48,64.67 ; J11.15 14.05,65.85 ; J11.15 14.05,63.49 ; 53.63,4.56 J15.37 ; J15.37 53.63,6.67 ; J15.37 54.68,5.61 ; J15.37 52.57,5.61 ; 132.14,56.88 J6.S3 ; J6.S3 135.78,56.88 ; J6.S3 133.96,55.31 ; J6.S3 133.96,58.45 ; J16.38 98.17,106.41 ; J16.38 97.11,105.36 ; J16.38 97.11,107.47 ; J16.38 96.06,106.41 ; J5.S4 141.26,37.78 ; J5.S4 139.44,39.34 ; J5.S4 137.61,37.78 ; J5.S4 139.44,36.21 ; J13.P10 17.29,88.53 ; J13.P10 16.34,87.58 ; J13.P10 17.29,86.63 ; J13.P10 18.25,87.58 ; 50.34,103.87 J16.1 ; J16.1 51.39,102.82 ; J16.1 52.45,103.87 ; J16.1 51.39,104.93 ; 13.99,84.36 J13.16 ; J13.16 15.43,85.54 ; J13.16 13.99,86.73 ; J13.16 12.56,85.54 ; 96.06,103.87 J16.37 ; J16.37 97.11,102.82 ; J16.37 98.17,103.87 ; J16.37 97.11,104.93 ; 137.61,22.78 J5.S2 ; J5.S2 139.44,24.34 ; J5.S2 139.44,21.21 ; J5.S2 141.26,22.78 ; 8.98,8.16 J9.20 ; J9.20 10.67,7.27 ; J9.20 10.67,9.06 ; J9.20 12.36,8.16 ; J5.A4 134.78,33.78 ; J5.A4 133.94,34.62 ; J5.A4 133.09,33.78 ; J5.A4 133.94,32.93 ; J10.16 13.99,32.04 ; J10.16 12.56,30.86 ; J10.16 13.99,29.68 ; J10.16 15.43,30.86 ; J11.16 14.05,50.35 ; J11.16 15.48,49.17 ; J11.16 14.05,47.99 ; J11.16 12.61,49.17 ; J6.A4 133.96,53.72 ; J6.A4 134.81,52.88 ; J6.A4 133.12,52.88 ; J6.A4 133.96,52.03 ; J5.S3 133.94,39.34 ; J5.S3 133.94,36.21 ; J5.S3 135.76,37.78 ; J5.S3 132.11,37.78 ; J12.15 15.43,82.98 ; J12.15 13.99,81.8 ; J12.15 12.56,82.98 ; J12.15 13.99,84.17 ; J4.16 137.35,75.87 ; J4.16 135.91,77.05 ; J4.16 135.91,74.69 ; J4.16 134.48,75.87 ; J9.21 10.67,23.56 ; J9.21 10.67,21.77 ; J9.21 8.98,22.66 ; J9.21 12.36,22.66 ; 146.34,103.3 H3.1 ; H3.1 149.29,106.25 ; H3.1 143.39,106.25 ; H3.1 146.34,109.2 ; 143.01,93.14 CN1.1 ; CN1.1 144.22,95.11 ; CN1.1 141.8,95.11 ; CN1.1 143.01,97.08 ; J15.38 53.63,4.13 ; J15.38 53.63,2.02 ; J15.38 54.68,3.07 ; J15.38 52.57,3.07 ; J10.P10 18.25,32.89 ; J10.P10 16.34,32.89 ; J10.P10 17.29,33.85 ; J10.P10 17.29,31.94 ; 46.61,24.85 HOLE2.1 ; HOLE2.1 44.64,26.82 ; HOLE2.1 48.57,26.82 ; HOLE2.1 46.61,28.79 ; 0.82,106.27 H1.1 ; H1.1 6.72,106.27 ; H1.1 3.77,109.22 ; H1.1 3.77,103.32 ; J6.S4 141.28,56.88 ; J6.S4 139.46,58.45 ; J6.S4 139.46,55.31 ; J6.S4 137.64,56.88 ; J5.S1 135.76,22.78 ; J5.S1 133.94,21.21 ; J5.S1 132.11,22.78 ; J5.S1 133.94,24.34 ; 99.35,4.56 J15.1 ; J15.1 100.4,5.61 ; J15.1 99.35,6.67 ; J15.1 98.29,5.61 ; J6.S1 133.96,43.45 ; J6.S1 132.14,41.88 ; J6.S1 135.78,41.88 ; J6.S1 133.96,40.31
  BOTTOM w0.508: v1(124.65,66.04) 124.11,66.57 124.11,66.65 C44.2 ; v1(124.6,43.18) 124.27,43.5 C227.2 ; C228.2 123.33,41.92 v1(123.71,42.29) ; C152.2 25.79,75.18 25.79,75.26 v1(25.26,75.79) ; C80.2 v1(26.24,16.02) ; C130.2 18.15,49.43 v1(18.09,49.48) ; C75.2 v1(30.61,23.42) ; C51.2 v1(126.53,62.38) ; C161.2 v1(30.67,85.09) ; C226.2 127.04,43.85 v1(126.37,43.18) ; C166.2 v1(29.47,91.08) ; C50.2 v1(126.53,60.05) ; C118.2 34.83,53.85 v1(34.58,54.1) ; v1(22.21,6.88) 21.85,7.25 R46.2 ; C109.2 33,56.41 v1(33.39,56.03) ; C225.2 127.27,40.79 126.65,41.4 v1(126.37,41.4) ; C67.2 26.22,10.03 v1(26.25,10.06) ; C145.2 v1(33.08,71.3) ; C30.2 v1(121.8,58.42) ; C114.2 v1(29.52,54.71) ; v1(40.45,22.86) 40.78,23.19 C65.2 ; v1(33.33,92.53) 32.95,92.91 C163.2 ; v1(108.75,52.88) 109.38,52.25 C57.2 ; C171.2 v1(33.08,89.36) ; v1(25.31,57.48) 25.84,56.95 25.84,56.87 C126.2 ; C165.2 v1(23.42,95.43) ; C177.2 v1(23.71,88.7) ; v1(23.04,66.41) 22.51,66.93 C157.2 ; C38.2 v1(119.64,70.54) ; v1(22.79,47.98) 22.44,48.34 C131.2 ; C153.2 v1(24.98,72.62) ; C141.2 v1(29.47,73.03) ; C119.2 v1(31,52.98) ; C89.2 v1(29.47,36.4) ; v1(126.37,40.51) 126.65,40.24 C230.2 C223.2 ; v1(22.49,29.92) 21.96,30.45 C105.2 ; C151.2 v1(23.71,70.64) ; C168.2 v1(34.1,91.69) ; R67.1 v1(39.63,41.63) ; C32.2 v1(120.56,65.89) ; C170.2 v1(30.26,89.36) ; C178.2 v1(24.98,90.68) ; v1(34.53,72.42) 34.78,72.16 C143.2 ; C167.2 v1(29.35,94.01) ; v1(121.96,23.62) C13.2 120.58,22.89 C16.2 ; C93.2 v1(33.08,34.67) ; C56.2 v1(113.32,42.72) ; C104.2 18.09,31.11 v1(18.04,31.17) ; v1(115.83,20.95) 116.29,21.41 C12.2 C8.2 ; C147.2 v1(34.1,73.63) ; C121.2 v1(36.03,59.26) ; C173.2 v1(30.95,89.36) ; C9.2 v1(116.55,24.74) ; C82.2 30.87,38.94 v1(30.03,39.78) ; v1(117.51,67.44) 116.95,66.88 C29.2 ; v1(34.71,74.75) 34.66,74.8 C136.2 ; C162.2 34.66,92.86 v1(34.71,92.81) ; C79.2 v1(26.24,20.84) ; C15.2 124.51,22.28 v1(125.15,22.92) ; C124.2 C123.2 31.07,61.75 31.47,62.15 31.47,62.22 v1(31.53,62.28) ; C164.2 30.87,93.62 v1(30.03,94.46) ; v1(18.04,85.85) 18.09,85.8 C182.2 ; v1(30.49,30.38) 30.49,30.48 30.67,30.66 C83.2 ; C133.2 v1(23.43,61.14) ; C35.2 114.13,63.73 v1(114.03,63.73) ; C150.2 C149.2 31.02,80.06 31.42,80.46 31.42,80.53 v1(31.48,80.59) ; R8.1 126.35,21.77 v1(127.06,22.48) ; v1(34.71,38.13) 34.66,38.18 C85.2 ; C88.2 v1(29.35,39.32) ; C229.2 123.8,40.42 v1(123.71,40.51) ; C193.2 v1(104.05,106.38) ; C122.2 32.75,63.86 v1(32.39,64.21) ; C25.2 115.73,16.26 C4.1 115.76,16.79 C3.1 116.85,16.76 C1.2 v1(117.92,14.35) ; C66.2 v1(40.8,17.31) ; C179.2 25.79,93.24 25.79,93.32 v1(25.26,93.85) ; C92.2 v1(30.95,34.67) ; v1(126.71,46.86) 126.06,46.22 C233.2 ; v1(34.53,35.79) 34.78,35.53 C94.2 ; C190.2 v1(104.18,2.29) ; v1(108.16,51.23) 108.75,50.65 C55.2 ; C172.2 34.78,90.22 v1(34.53,90.47) ; C27.2 119.24,74.75 v1(119.29,74.8) ; v1(108.7,31.47) 108.47,31.47 107.78,30.78 C24.2 ; C36.2 v1(115.81,68.2) ; v1(30.08,58.09) 30.92,57.25 C108.2 ; C39.2 115.12,69.67 v1(115.38,69.42) ; v1(18.04,67.79) 18.09,67.74 C156.2 ; C115.2 v1(29.4,57.63) ; C142.2 v1(35.98,77.57) ; C87.2 v1(23.61,40.74) ; v1(22.31,84.66) 21.98,84.99 C183.2 ; C45.2 v1(124.93,69.22) ; C28.2 115.25,67.03 v1(115.2,67.08) ; C37.2 v1(118.96,70.54) ; C120.2 v1(30.31,52.98) ; R109.1 v1(39.63,96.2) ; v1(115.86,59.82) 116.8,59.82 117.21,60.22 C40.2 ; C31.2 v1(126.3,64.47) ; v1(118.27,62.03) 118.53,61.77 C41.2 C42.2 ; v1(34.76,56.44) 34.71,56.49 C110.2 ; C192.2 v1(45.88,106.55) ; C90.2 v1(34.1,37.01) ; C106.2 v1(23.38,45.16) ; C26.2 v1(123.5,59.16) ; C111.2 v1(30.72,48.77) ; v1(119.31,23.42) 119.69,23.04 C10.2 ; C100.2 25.79,38.56 25.79,38.63 v1(25.26,39.17) ; C84.2 32.95,38.13 v1(33.28,37.8) ; C96.2 v1(32.7,45.67) ; C34.2 v1(116.82,70.54) ; C148.2 32.7,81.86 v1(32.24,82.32) ; v1(27.03,14.77) C78.2 C76.1 ; R95.1 v1(39.63,78.13) ; v1(110.65,22.56) 111.16,22.05 C5.2 ; C146.2 v1(30.95,71.3) ; C14.2 121.52,20.8 121.9,21.18 v1(121.9,21.39) ; C134.2 30.87,75.56 v1(30.03,76.4) ; C135.2 v1(30.67,67.08) ; R52.2 v1(23.37,10.29) ; C107.2 v1(23.38,42.82) ; C185.2 23.69,97.46 24.08,97.85 v1(24.11,97.85) ; C11.2 v1(120.53,25.48) ; C158.2 v1(23.38,81.79) ; C116.2 v1(34.15,55.32) ; C125.2 v1(23.76,52.32) ; C174.2 32.73,99.77 v1(32.14,100.36) ; C140.2 v1(29.35,75.95) ; v1(38.94,59.98) 39.68,59.24 R81.1 ; C54.2 v1(112.02,42.72) ; C112.2 v1(27.59,62.51) ; v1(36,20.78) C70.2 C69.2 ; C144.2 v1(30.26,71.3) ; C71.2 v1(31.96,12.98) ; v1(125.49,43.18) 125.49,43.46 125.06,43.88 C232.2 ; C169.2 v1(35.98,95.63) ; C95.2 v1(35.98,40.94) ; C176.2 C175.2 31.02,98.12 31.42,98.52 31.42,98.59 v1(31.48,98.65) ; C77.2 v1(26.24,19) ; v1(33.28,74.37) 32.95,74.7 C137.2 ; C231.2 125.63,40.37 v1(125.49,40.51) ; C138.2 v1(27.54,80.82) ; C132.2 v1(23.43,63.47) ; C98.2 C97.2 31.02,43.43 31.42,43.83 31.42,43.91 v1(31.48,43.97) ; C81.2 v1(30.85,18.08) ; R34.1 v1(108.95,64.49) ; C191.2 v1(47.58,2.18) ; C139.2 v1(23.61,77.37) ; C48.2 v1(131.84,75.36) ; C127.2 v1(25.03,54.31) ; C184.2 v1(23.45,99.01) ; C91.2 v1(30.26,34.67) ; C159.2 v1(23.38,79.45) ; C33.2 v1(120.43,68.81) ; C86.2 v1(27.54,44.2) ; C117.2 v1(33.13,52.98) ; C99.2 v1(23.71,34.01) ; C74.2 v1(34.57,11.51) ; C23.2 109,20.47 v1(109.56,19.91) ; C73.2 v1(26.92,13.08) ; C160.2 v1(27.43,99.14) ; C101.2 v1(24.98,35.99) ; C72.2 v1(30.81,21.81) ; C22.2 v1(113.37,17.09) ; C68.2 v1(32.64,10.01) ; C113.2 v1(23.66,59.06)